# KiCad board Batch 1.kicad_pcb (continued)
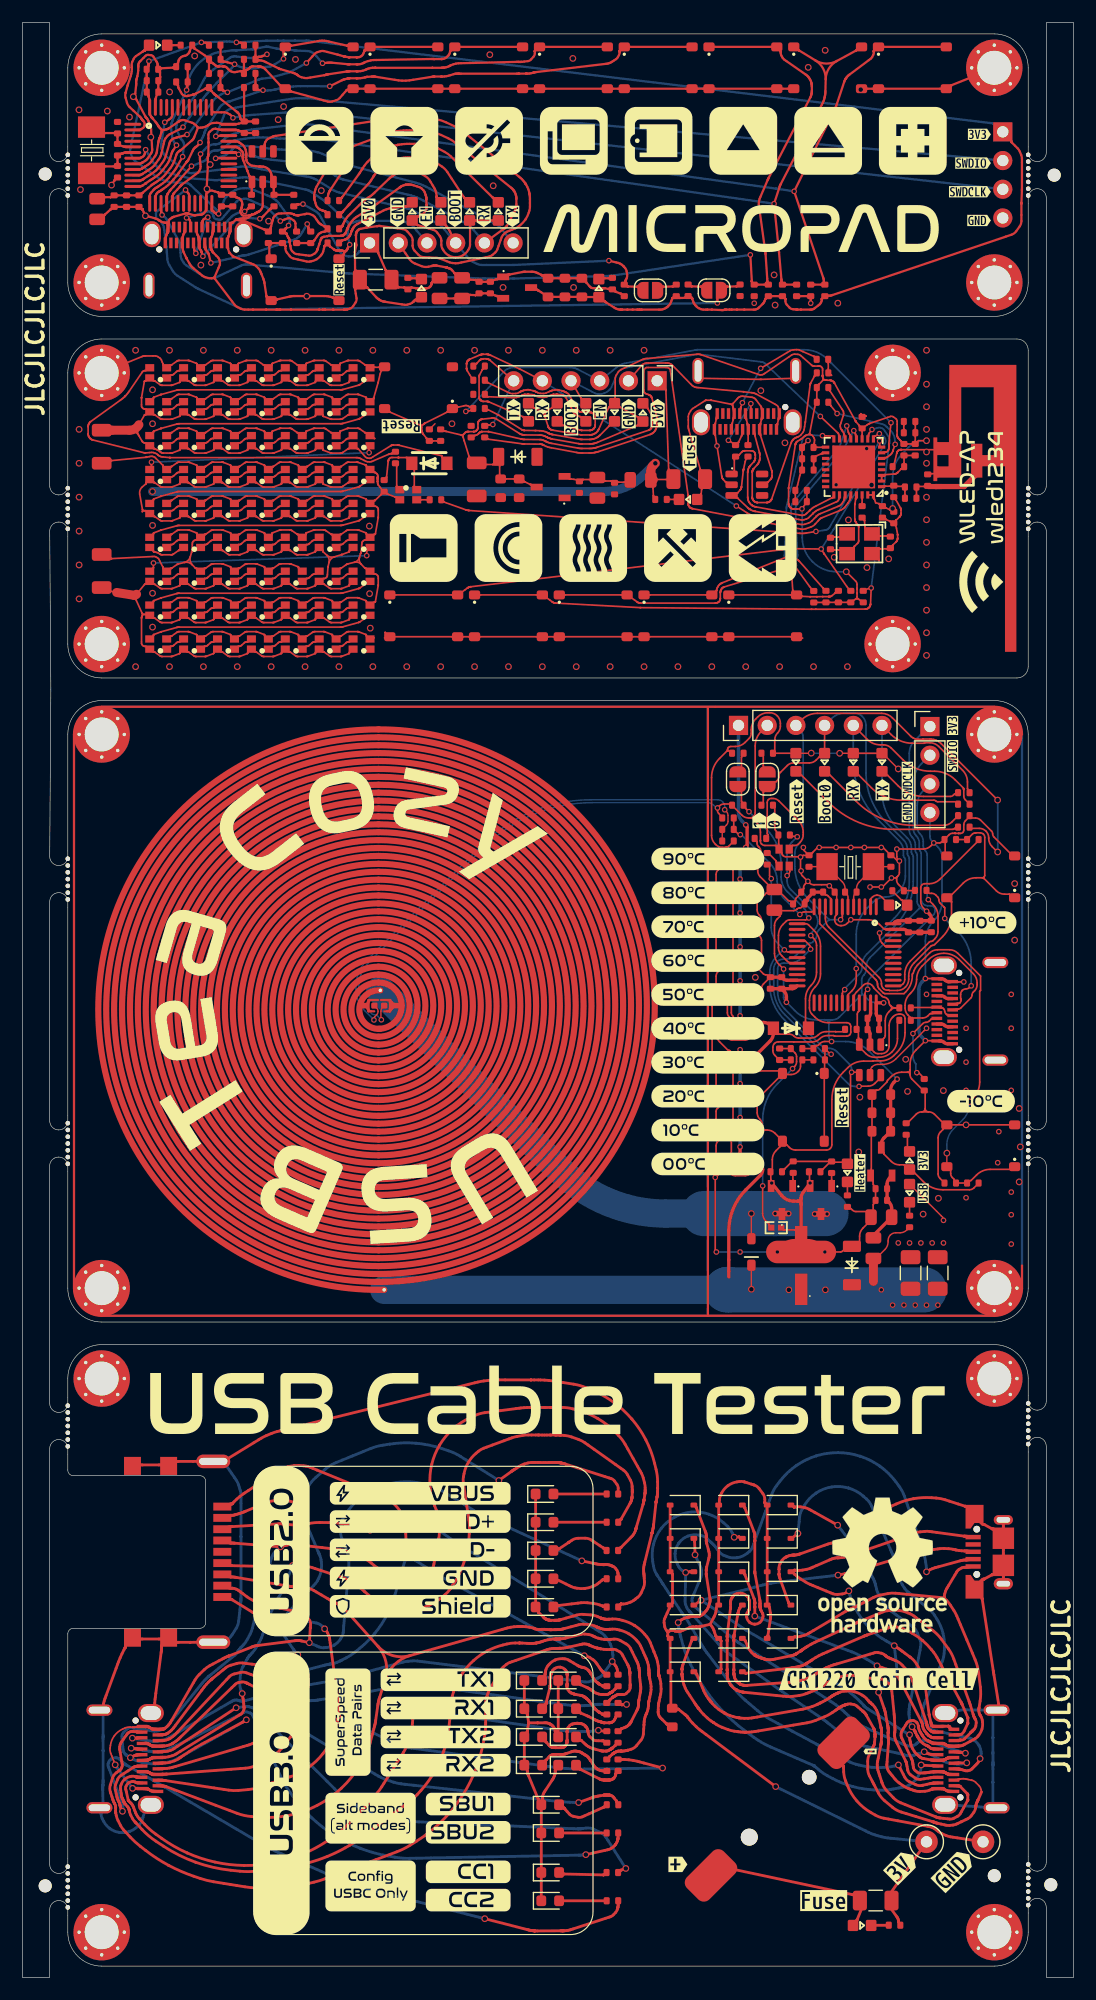
[diagram p0: board, top side]
## Routing (per net, layer and track width the routed paths; a pad name or vN(x,y) marks a point on that pad's centre or on a via; arc(x,y) is an arc through that point) (continued)
  Bottom w0.2: v2(68.28,158.07) 66.72,158.3 arc(66.71,158.3) 66.7,158.31 arc(66.69,158.31) 66.68,158.31 26.76,163.78 arc(26.69,163.78) 26.63,163.79 arc(26.57,163.8) 26.5,163.81 25.76,163.94 arc(25.49,163.98) 25.23,163.99 24.69,164.01 arc(24.42,164) 24.15,163.97 23.88,163.94 arc(23.87,163.94) 23.87,163.94 23.81,163.93 arc(23.74,163.92) 23.68,163.91 20.67,163.58 20.26,163.54 arc(20.06,163.51) 19.86,163.47 19.46,163.38 arc(19.27,163.33) 19.07,163.28 18.44,163.07 arc(18.34,163.03) 18.25,162.98 18.06,162.87 arc(17.97,162.81) 17.89,162.74 17.54,162.39 arc(17.49,162.34) 17.43,162.31 17.3,162.26 arc(17.23,162.24) 17.17,162.23 16.95,162.23 arc(16.82,162.22) 16.7,162.18 16.45,162.07 arc(16.34,162.01) 16.24,161.92 v2(15.75,161.37)
/Rainbow: length 54
  Top w0.15: U4.10 74.86,136.37 arc(74.86,136.41) 74.86,136.44 74.86,136.5 arc(74.87,136.53) 74.87,136.55 74.89,136.6 arc(74.9,136.62) 74.91,136.64 v2(75.17,136.99) ; R51.2 74.56,122.79 arc(74.72,122.86) 74.89,122.91 v2(75.11,122.96) 75.05,121.55 arc(75.05,121.54) 75.04,121.54 arc(75.04,121.53) 75.04,121.52 75.04,121.51 arc(75.04,121.5) 75.04,121.5 arc(75.04,121.49) 75.04,121.49 75.03,121.42 arc(75.02,121.41) 75.02,121.39 75,121.36 arc(75,121.35) 74.99,121.34 74.94,121.27 arc(74.93,121.25) 74.92,121.24 74.9,121.22 arc(74.89,121.21) 74.87,121.2 74.83,121.17 arc(74.82,121.16) 74.8,121.15 arc(74.79,121.14) 74.78,121.14 74.75,121.12 arc(74.73,121.12) 74.72,121.11 74.66,121.1 arc(74.65,121.1) 74.64,121.1 arc(74.63,121.1) 74.62,121.1 74.61,121.1 arc(74.6,121.09) 74.59,121.09 arc(74.59,121.09) 74.58,121.09 70.2,121.08 69.83,121.08 arc(69.83,121.08) 69.83,121.08 54.71,121.22 arc(54.69,121.22) 54.68,121.22 arc(54.66,121.23) 54.65,121.23 47.19,121.62 47.18,121.63 arc(47.17,121.63) 47.17,121.63 47.15,121.63 arc(47.15,121.63) 47.14,121.63 arc(47.14,121.63) 47.13,121.63 47.04,121.65 arc(47.03,121.65) 47.01,121.66 46.98,121.67 arc(46.97,121.68) 46.96,121.69 46.88,121.73 arc(46.88,121.74) 46.87,121.74 arc(46.87,121.75) 46.86,121.75 46.66,121.89 arc(46.46,122.04) 46.26,122.18 46.18,122.23 arc(45.99,122.32) 45.79,122.35 SW11.1
  Bottom w0.15: v2(75.17,136.99) 75.76,137.15 arc(75.84,137.17) 75.92,137.15 76.08,137.09 arc(76.15,137.05) 76.21,137 76.52,136.55 76.63,136.4 arc(76.67,136.32) 76.7,136.24 76.73,136.06 arc(76.74,135.97) 76.73,135.89 76.72,135.81 arc(76.71,135.8) 76.71,135.79 76.71,135.79 arc(76.71,135.78) 76.71,135.78 arc(76.71,135.77) 76.71,135.77 76.71,135.76 arc(76.71,135.75) 76.7,135.75 arc(76.7,135.74) 76.7,135.74 v2(75.11,122.96)
/Reset: length 175.2
  Top w0.15: U4.7 76.24,134.98 arc(76.28,134.99) 76.32,134.99 76.4,134.99 arc(76.45,135) 76.49,135.02 76.56,135.08 arc(76.6,135.11) 76.62,135.15 76.66,135.27 arc(76.66,135.28) 76.66,135.3 76.67,135.32 arc(76.67,135.33) 76.67,135.35 arc(76.67,135.36) 76.67,135.37 76.67,135.48 arc(76.67,135.49) 76.67,135.49 arc(76.67,135.5) 76.67,135.5 76.67,135.51 arc(76.67,135.51) 76.67,135.52 arc(76.67,135.52) 76.67,135.52 76.67,135.59 arc(76.67,135.59) 76.67,135.6 76.67,135.6 arc(76.67,135.6) 76.67,135.61 arc(76.66,135.61) 76.66,135.62 76.66,135.63 arc(76.66,135.64) 76.66,135.66 76.66,135.69 arc(76.66,135.7) 76.66,135.72 76.67,135.75 v2(76.86,137.59) ; J6.3 68.92,111.28 arc(69.57,111.72) 70.34,111.87 76.02,111.87 arc(76.54,111.77) 76.98,111.48 78.59,109.86 78.66,109.79 78.82,109.69 79,109.61 79.18,109.58 79.28,109.58 79.67,109.58 79.68,109.57 79.69,109.58 79.7,109.59 79.71,109.6 79.72,109.6 80.3,109.6 80.41,109.59 80.64,109.56 80.85,109.49 81.05,109.39 81.23,109.25 81.31,109.17 v1(86.29,104.19) ; 35.32,137.18 35.36,136.83 arc(35.36,136.83) 35.36,136.82 arc(35.36,136.82) 35.36,136.82 35.36,136.81 arc(35.36,136.81) 35.36,136.81 arc(35.36,136.8) 35.36,136.8 35.37,136.78 arc(35.37,136.78) 35.37,136.77 35.37,136.73 arc(35.38,136.72) 35.38,136.7 35.4,136.67 arc(35.4,136.66) 35.41,136.65 arc(35.42,136.63) 35.43,136.62 35.45,136.59 arc(35.45,136.58) 35.46,136.58 35.46,136.57 arc(35.46,136.57) 35.46,136.57 arc(35.47,136.56) 35.47,136.56 35.74,136.23 arc(35.74,136.23) 35.74,136.23 arc(35.74,136.23) 35.74,136.22 35.91,136.06 arc(36.01,136) 36.12,135.98 R34.2 ; 35.32,137.18 arc(35.33,137.31) 35.41,137.41 ; 35.32,137.18 arc(35.27,137.3) 35.17,137.38 ; 70.98,80.5 70.98,80.88 ; 71.01,81.52 71.01,81.88 ; SW10.2 32.5,138.53 arc(32.5,138.53) 32.51,138.53 32.51,138.53 arc(32.51,138.53) 32.51,138.53 35.17,137.38 ; 35.17,137.38 arc(35.29,137.36) 35.41,137.41 ; 71.26,81.94 71.47,81.72 arc(71.5,81.71) 71.53,81.7 v2(71.56,81.7) ; v2(72.4,93.61) 72.47,93.68 arc(72.53,93.77) 72.55,93.87 U6.7 ; 86.3,99.58 v1(86.3,99.6) 86.28,99.6 85.8,100.08 arc(85.58,100.4) 85.51,100.79 85.51,100.85 arc(85.44,101.17) 85.26,101.45 arc(84.99,101.63) 84.67,101.69 84.08,101.69 ; v2(39.23,138.59) 39.46,138.62 arc(39.62,138.66) 39.76,138.74 39.8,138.78 arc(39.83,138.85) 39.79,138.91 39.73,138.94 arc(39.69,138.96) 39.66,138.96 39.61,138.96 arc(39.61,138.96) 39.6,138.96 39.59,138.97 arc(39.58,138.97) 39.58,138.97 arc(39.57,138.98) 39.57,138.98 39.51,139.03 arc(39.46,139.06) 39.41,139.08 39.29,139.11 arc(39.23,139.11) 39.17,139.11 38.56,138.97 arc(38.56,138.97) 38.56,138.97 arc(38.55,138.97) 38.55,138.97 38.55,138.97 arc(38.54,138.97) 38.54,138.97 38.5,138.97 arc(38.47,138.96) 38.43,138.95 38.25,138.9 arc(38.05,138.82) 37.86,138.72 37.58,138.53 arc(37.58,138.53) 37.58,138.53 arc(37.57,138.53) 37.57,138.53 arc(37.57,138.53) 37.57,138.53 35.62,137.55 arc(35.62,137.55) 35.61,137.55 arc(35.61,137.55) 35.6,137.54 35.6,137.54 arc(35.59,137.54) 35.59,137.53 35.54,137.5 arc(35.54,137.5) 35.53,137.5 arc(35.53,137.49) 35.52,137.49 35.41,137.41 ; 70.95,79.5 70.95,74.5
  Top w0.2: SW1.2 28.41,152.46 arc(28.41,152.46) 28.41,152.46 arc(28.41,152.47) 28.41,152.47 28.41,152.47 arc(28.41,152.47) 28.41,152.47 28.5,152.7 ; SW1.1 21.86,152.36 arc(21.84,152.4) 21.84,152.45 21.84,153.27 arc(21.83,153.32) 21.81,153.36 21.79,153.4 arc(21.8,153.46) 21.85,153.49 22.89,153.49 arc(22.99,153.47) 23.08,153.41 23.26,153.25 arc(23.26,153.24) 23.26,153.24 arc(23.26,153.24) 23.26,153.24 arc(23.26,153.24) 23.26,153.24 23.26,153.23 arc(23.26,153.23) 23.26,153.23 23.26,153.01 arc(23.3,152.82) 23.39,152.65 23.65,152.33 arc(23.79,152.2) 23.98,152.12 25.14,151.86 arc(25.27,151.84) 25.4,151.85 25.53,151.87 arc(25.79,151.94) 26.02,152.05 arc(26.23,152.21) 26.41,152.4 26.49,152.5 arc(26.55,152.62) 26.6,152.74 26.67,152.99 26.73,153.21 arc(26.73,153.21) 26.73,153.21 arc(26.73,153.22) 26.73,153.22 26.73,153.22 arc(26.73,153.22) 26.73,153.23 26.73,153.23 arc(26.73,153.23) 26.74,153.23 26.74,153.23 arc(26.74,153.23) 26.74,153.23 arc(26.74,153.23) 26.74,153.24 26.74,153.24 arc(26.74,153.24) 26.74,153.24 arc(26.74,153.24) 26.74,153.24 arc(26.74,153.24) 26.75,153.24 26.87,153.37 arc(26.98,153.42) 27.09,153.35 27.2,153.21 arc(27.2,153.2) 27.2,153.2 arc(27.2,153.2) 27.2,153.2 27.2,153.2 arc(27.2,153.2) 27.21,153.2 27.57,152.92 arc(27.58,152.91) 27.59,152.9 27.62,152.89 arc(27.63,152.88) 27.65,152.88 27.7,152.86 arc(27.71,152.86) 27.72,152.85 27.75,152.85 arc(27.76,152.85) 27.77,152.84 27.86,152.84 arc(27.86,152.84) 27.86,152.84 arc(27.87,152.84) 27.87,152.84 27.87,152.84 arc(27.88,152.84) 27.88,152.84 arc(27.88,152.84) 27.89,152.84 27.91,152.84 arc(27.92,152.84) 27.92,152.84 arc(27.93,152.84) 27.94,152.84 27.96,152.84 arc(27.97,152.84) 27.97,152.84 arc(27.98,152.84) 27.98,152.84 28.04,152.84 arc(28.04,152.84) 28.05,152.84 arc(28.05,152.84) 28.06,152.84 28.08,152.84 arc(28.09,152.84) 28.09,152.84 arc(28.1,152.84) 28.11,152.84 28.14,152.84 arc(28.15,152.84) 28.15,152.84 28.16,152.84 arc(28.16,152.84) 28.17,152.84 arc(28.17,152.84) 28.17,152.84 arc(28.18,152.84) 28.18,152.84 28.2,152.84 arc(28.23,152.84) 28.26,152.84 28.32,152.82 arc(28.34,152.81) 28.37,152.8 28.46,152.74 arc(28.46,152.74) 28.47,152.73 arc(28.47,152.73) 28.48,152.73 28.48,152.72 arc(28.49,152.71) 28.49,152.71 28.5,152.71 arc(28.5,152.71) 28.5,152.7 ; v2(10.89,161.75) 10.8,161.35 arc(10.78,161.3) 10.75,161.25 10.68,161.17 arc(10.65,161.13) 10.6,161.11 10.46,161.04 arc(10.36,161.01) 10.26,161 U2.7 ; 28.5,152.7 arc(28.5,152.7) 28.5,152.7 ; 28.5,152.7 arc(28.5,152.7) 28.5,152.7 ; 28.5,152.7 28.51,152.7 arc(28.51,152.71) 28.51,152.71 28.53,152.72 arc(28.55,152.73) 28.58,152.75 28.62,152.78 arc(28.64,152.8) 28.65,152.82 28.66,152.83 arc(28.67,152.84) 28.68,152.85 28.7,152.88 arc(28.71,152.9) 28.73,152.92 28.75,152.96 arc(28.76,152.98) 28.77,153.01 28.77,153.02 arc(28.78,153.03) 28.78,153.03 arc(28.78,153.04) 28.78,153.04 28.79,153.08 arc(28.81,153.12) 28.83,153.16 28.87,153.23 arc(28.89,153.27) 28.92,153.3 v2(28.95,153.35) ; 28.5,152.7 arc(28.5,152.7) 28.5,152.7
  Bottom w0.15: v2(71.56,81.7) 71.26,81.7 arc(70.99,81.75) 70.75,81.91 67.45,85.22 arc(66.73,86.29) 66.48,87.56 66.48,89.24 arc(66.54,89.58) 66.73,89.86 arc(67.02,90.05) 67.35,90.12 67.55,90.12 arc(68.07,90.22) 68.51,90.51 69.42,91.42 arc(69.54,91.5) 69.68,91.53 arc(69.81,91.55) 69.93,91.63 70.09,91.79 arc(70.24,92) 70.28,92.25 arc(70.33,92.5) 70.48,92.71 71.37,93.61 ; v2(39.23,138.59) 42.53,142.03 42.7,142.2 arc(42.79,142.28) 42.89,142.33 43.11,142.43 arc(43.22,142.46) 43.34,142.48 48.61,142.48 arc(48.68,142.47) 48.75,142.46 48.89,142.42 arc(48.96,142.4) 49.02,142.37 J5.3 52.57,142.48 52.72,142.59 arc(52.8,142.65) 52.88,142.69 53.05,142.77 arc(53.14,142.81) 53.23,142.83 59.53,144.02 59.58,144.03 arc(59.6,144.04) 59.62,144.04 59.67,144.05 arc(59.7,144.05) 59.72,144.05 arc(59.75,144.05) 59.77,144.05 69.16,144.05 arc(70.31,143.82) 71.28,143.17 71.58,142.87 arc(71.58,142.87) 71.58,142.87 arc(71.58,142.86) 71.58,142.86 v2(76.86,137.59) ; v1(86.29,104.19) 86.3,104.19 v1(86.3,99.6) ; J6.3 68.76,110.48 arc(69,110.12) 69.09,109.7 69.09,101.12 arc(69.01,100.76) 68.81,100.45 68.72,100.36 arc(68.44,99.95) 68.34,99.46 68.34,98.32 arc(68.65,96.77) 69.53,95.46 71.37,93.62 ; 71.37,93.62 71.38,93.61 ; 71.37,93.62 arc(71.37,93.61) 71.37,93.61 ; 71.37,93.61 arc(71.37,93.61) 71.38,93.61 ; v2(72.4,93.61) 71.38,93.61 arc(71.38,93.61) 71.38,93.61
  Bottom w0.2: 28.85,154.9 28.77,154.53 arc(28.76,154.47) 28.76,154.41 28.76,154.29 arc(28.76,154.24) 28.77,154.18 28.8,154.06 v2(28.95,153.35) ; 28.85,154.9 arc(28.84,155.18) 28.69,155.42 ; 28.85,154.9 arc(28.98,155.15) 29.22,155.3 ; J2.3 34.61,154.92 arc(34.45,155.06) 34.27,155.17 33.88,155.36 arc(33.68,155.43) 33.47,155.45 33.03,155.45 29.82,155.45 arc(29.78,155.45) 29.73,155.44 29.65,155.43 arc(29.61,155.42) 29.57,155.41 29.22,155.3 ; 28.69,155.42 26.88,157.08 arc(26.85,157.11) 26.81,157.14 26.74,157.2 arc(26.7,157.23) 26.67,157.26 26.59,157.31 25.61,157.98 25.5,158.05 arc(25.45,158.08) 25.39,158.11 25.27,158.16 arc(25.21,158.18) 25.15,158.2 25.03,158.23 21.05,159.06 arc(20.84,159.11) 20.64,159.15 20.45,159.2 arc(20.43,159.2) 20.41,159.21 20.26,159.25 arc(20.13,159.27) 19.99,159.29 19.73,159.31 arc(19.6,159.31) 19.46,159.3 19.2,159.27 17.33,159.07 17.25,159.06 arc(17.2,159.06) 17.16,159.06 17.07,159.06 arc(17.03,159.06) 16.99,159.06 16.9,159.06 14.89,159.21 14.85,159.21 arc(14.82,159.22) 14.8,159.22 14.75,159.23 arc(14.73,159.23) 14.7,159.24 14.65,159.25 13.23,159.62 12.74,159.74 arc(12.5,159.83) 12.29,159.96 11.89,160.26 arc(11.7,160.43) 11.56,160.63 11.3,161.06 v2(10.89,161.75) ; 28.69,155.42 arc(28.94,155.29) 29.22,155.3
/RX1+: length 73.3
  Top w0.25: 51.96,24.54 51.96,24.54 arc(51.96,24.54) 51.96,24.54 51.96,24.54 arc(51.97,24.54) 51.97,24.54 52.2,24.77 arc(52.21,24.78) 52.22,24.78 52.24,24.8 arc(52.25,24.81) 52.26,24.81 52.28,24.82 arc(52.28,24.82) 52.29,24.82 52.3,24.83 arc(52.32,24.84) 52.34,24.85 52.35,24.86 arc(52.37,24.87) 52.39,24.88 arc(52.4,24.89) 52.42,24.9 52.54,24.97 arc(52.57,24.99) 52.6,25 52.66,25.02 arc(52.7,25.03) 52.73,25.03 52.94,25.03 arc(52.95,25.03) 52.95,25.03 52.96,25.03 arc(52.97,25.03) 52.97,25.03 52.97,25.03 arc(52.97,25.03) 52.98,25.03 arc(52.98,25.03) 52.98,25.03 52.99,25.03 arc(52.99,25.03) 53,25.03 53.01,25.03 arc(53.01,25.03) 53.02,25.03 arc(53.02,25.03) 53.03,25.03 53.17,25.03 arc(53.31,25.06) 53.43,25.13 53.65,25.34 arc(53.73,25.46) 53.76,25.6 53.77,25.86 arc(53.77,25.88) 53.77,25.9 arc(53.77,25.93) 53.77,25.95 53.75,26.75 arc(53.75,26.8) 53.75,26.86 53.75,26.9 arc(53.75,26.91) 53.75,26.92 arc(53.75,26.92) 53.75,26.93 53.75,26.94 arc(53.75,26.95) 53.75,26.96 53.74,26.98 arc(53.74,26.99) 53.74,27.01 arc(53.74,27.02) 53.74,27.03 53.74,27.03 arc(53.74,27.04) 53.74,27.05 arc(53.73,27.07) 53.73,27.08 53.73,27.09 arc(53.73,27.09) 53.73,27.09 arc(53.73,27.1) 53.73,27.1 53.69,27.31 arc(53.68,27.35) 53.67,27.4 53.64,27.5 arc(53.62,27.54) 53.6,27.59 53.05,28.61 arc(52.96,28.73) 52.84,28.82 52.56,28.97 arc(52.42,29.03) 52.26,29.04 52.11,29.03 arc(52.11,29.03) 52.1,29.03 arc(52.09,29.02) 52.08,29.02 51.96,29.02 arc(51.82,29.01) 51.69,29.02 51.43,29.04 arc(51.3,29.05) 51.17,29.08 50.82,29.16 arc(50.73,29.18) 50.64,29.21 50.46,29.28 arc(50.37,29.31) 50.28,29.35 50.09,29.44 arc(50.01,29.48) 49.92,29.49 49.75,29.51 arc(49.66,29.52) 49.57,29.5 48.19,29.2 arc(48.1,29.18) 48.01,29.17 47.84,29.14 arc(47.75,29.13) 47.66,29.13 47.57,29.12 arc(47.57,29.12) 47.57,29.12 47.54,29.12 arc(47.52,29.12) 47.5,29.12 arc(47.48,29.12) 47.47,29.12 47.43,29.12 arc(47.4,29.12) 47.37,29.12 arc(47.34,29.12) 47.31,29.12 47.26,29.12 arc(47.25,29.12) 47.24,29.12 47.21,29.12 arc(47.21,29.12) 47.2,29.12 47.19,29.12 arc(47.19,29.12) 47.18,29.12 47.16,29.12 arc(47.14,29.12) 47.12,29.12 47.01,29.11 arc(46.92,29.11) 46.82,29.1 46.64,29.06 arc(46.55,29.04) 46.46,29.02 46.2,28.93 43.66,28.06 43.14,27.88 arc(42.97,27.8) 42.82,27.7 42.53,27.46 arc(42.4,27.33) 42.3,27.18 42.02,26.69 41.3,25.41 arc(41.24,25.28) 41.19,25.14 41.1,24.87 arc(41.06,24.73) 41.03,24.58 41.01,24.35 arc(41,24.3) 41,24.25 40.99,24.16 arc(40.99,24.11) 40.99,24.07 40.99,23.8 arc(40.99,23.76) 40.99,23.72 arc(40.99,23.67) 40.99,23.63 40.98,22.38 arc(40.94,21.73) 40.84,21.08 40.7,20.43 arc(40.37,19.16) 39.91,17.94 arc(39.33,16.76) 38.63,15.65 arc(37.83,14.61) 36.92,13.66 arc(35.93,12.8) 34.86,12.05 34.3,11.7 arc(33.72,11.38) 33.12,11.12 31.27,10.42 28.2,9.27 26.76,8.72 arc(26.28,8.56) 25.78,8.43 25.28,8.31 arc(24.28,8.11) 23.26,7.97 arc(22.24,7.9) 21.21,7.9 20.7,7.92 arc(20.19,7.95) 19.68,8.02 18.38,8.23 17.8,8.32 16.89,8.47 arc(16.3,8.59) 15.72,8.76 15.15,8.95 arc(14.02,9.39) 12.93,9.91 arc(11.89,10.53) 10.9,11.23 10.42,11.6 arc(9.96,11.99) 9.53,12.42 9.12,12.86 arc(9.12,12.86) 9.11,12.86 arc(9.11,12.87) 9.11,12.87 8.95,13.04 arc(8.79,13.23) 8.67,13.44 8.45,13.88 arc(8.35,14.1) 8.29,14.33 8.24,14.57 arc(8.24,14.57) 8.24,14.58 arc(8.24,14.58) 8.24,14.59 8.24,14.6 arc(8.23,14.62) 8.23,14.63 8.23,14.67 arc(8.23,14.68) 8.23,14.7 8.23,14.98 arc(8.23,14.99) 8.23,15 arc(8.23,15.01) 8.23,15.02 8.23,15.06 arc(8.23,15.11) 8.22,15.16 8.2,15.26 arc(8.18,15.31) 8.16,15.35 8.13,15.4 arc(8.13,15.41) 8.12,15.42 8.11,15.44 arc(8.09,15.48) 8.08,15.51 8.05,15.58 arc(8.03,15.61) 8.02,15.64 7.77,16.41 arc(7.72,16.72) 7.76,17.02 7.95,17.62 arc(8.09,17.9) 8.3,18.12 8.64,18.37 arc(8.7,18.43) 8.74,18.51 8.81,18.67 arc(8.83,18.75) 8.82,18.84 8.78,19.09 8.64,19.91 8.59,20.21 arc(8.58,20.31) 8.59,20.41 8.64,20.61 arc(8.67,20.7) 8.72,20.79 9.28,21.58 arc(9.33,21.64) 9.4,21.68 9.54,21.75 arc(9.61,21.77) 9.69,21.77 10.09,21.73 arc(10.09,21.73) 10.09,21.73 arc(10.09,21.73) 10.09,21.73 10.1,21.73 arc(10.1,21.73) 10.1,21.73 10.16,21.73 arc(10.23,21.73) 10.29,21.73 J11.B11
/RX1-: length 46.4
  Top w0.25: v1(53.45,24.16) 53.13,24.14 arc(53.11,24.13) 53.09,24.13 53.08,24.13 arc(53.06,24.13) 53.04,24.13 53.03,24.13 arc(53.02,24.13) 53.02,24.13 53.02,24.13 arc(53.02,24.13) 53.02,24.13 ; J11.B10 10.29,21.19 arc(10.23,21.18) 10.16,21.18 10.1,21.18 arc(10.1,21.18) 10.1,21.18 9.78,21.18 arc(9.78,21.18) 9.78,21.18 arc(9.78,21.18) 9.78,21.18 v1(9.71,21.18)
  Bottom w0.25: v1(9.71,21.18) 9.74,21.17 arc(9.77,21.17) 9.8,21.17 9.86,21.16 arc(9.89,21.15) 9.92,21.14 9.95,21.14 arc(9.95,21.14) 9.96,21.13 arc(9.96,21.13) 9.96,21.13 9.97,21.13 arc(9.98,21.13) 9.99,21.13 10.02,21.12 arc(10.03,21.12) 10.04,21.12 arc(10.05,21.12) 10.06,21.11 11.53,20.89 arc(11.74,20.88) 11.95,20.9 12.37,20.97 arc(12.57,21.03) 12.76,21.12 13.32,21.44 18.44,24.38 18.62,24.49 arc(18.68,24.52) 18.75,24.53 18.89,24.55 arc(18.96,24.55) 19.03,24.54 19.28,24.46 arc(19.33,24.45) 19.38,24.45 19.47,24.44 arc(19.52,24.45) 19.57,24.46 21.16,24.89 21.43,24.96 arc(21.52,24.98) 21.61,24.99 21.79,24.99 arc(21.88,24.98) 21.97,24.96 22.05,24.94 arc(22.06,24.94) 22.06,24.93 arc(22.07,24.93) 22.08,24.93 22.08,24.93 arc(22.09,24.93) 22.1,24.92 23.43,24.56 arc(23.58,24.53) 23.73,24.51 24.03,24.47 arc(24.18,24.46) 24.33,24.46 24.78,24.47 25.61,24.5 arc(25.69,24.5) 25.77,24.51 25.93,24.52 arc(26.01,24.53) 26.08,24.54 26.32,24.58 27.64,24.78 arc(27.64,24.78) 27.64,24.78 arc(27.65,24.78) 27.65,24.78 27.65,24.78 arc(27.66,24.78) 27.67,24.79 27.72,24.79 arc(27.78,24.8) 27.83,24.81 34.07,25.89 34.32,25.93 arc(34.4,25.94) 34.49,25.95 34.66,25.95 arc(34.75,25.95) 34.83,25.94 35.09,25.91 47.25,24.24 48,24.13 arc(48.25,24.1) 48.5,24.08 49.01,24.06 arc(49.26,24.05) 49.51,24.05 49.89,24.05 arc(49.98,24.06) 50.07,24.07 50.25,24.08 arc(50.34,24.09) 50.43,24.11 50.59,24.14 arc(50.65,24.15) 50.7,24.15 50.81,24.16 arc(50.86,24.17) 50.92,24.17 51.08,24.17 v1(53.45,24.16)
/RX2+: length 86.7
  Top w0.25: 31.45,29.31 28.5,32.6 arc(28.42,32.69) 28.32,32.77 28.11,32.92 arc(28.01,32.99) 27.9,33.05 27.76,33.11 arc(27.75,33.12) 27.73,33.13 27.67,33.16 arc(27.59,33.19) 27.51,33.23 27.36,33.31 arc(27.29,33.35) 27.21,33.4 25.76,34.25 arc(25.53,34.36) 25.29,34.44 24.78,34.57 arc(24.53,34.61) 24.27,34.61 23.93,34.6 arc(23.88,34.59) 23.83,34.6 23.73,34.6 arc(23.68,34.61) 23.63,34.61 18.78,35.42 arc(18.74,35.43) 18.69,35.43 18.61,35.44 arc(18.56,35.44) 18.52,35.44 18.41,35.44 arc(18.35,35.45) 18.29,35.46 17.68,35.67 ; 31.45,29.31 arc(32.75,28.49) 34.29,28.48 ; 31.45,29.31 arc(32.16,27.91) 32.09,26.34 ; J11.A11 12.26,16.94 arc(12.33,16.93) 12.39,16.93 12.48,16.93 arc(12.51,16.93) 12.54,16.93 12.59,16.92 arc(12.62,16.91) 12.64,16.9 12.72,16.87 17.1,15.23 18.97,14.53 arc(19.6,14.34) 20.26,14.24 20.92,14.18 arc(22.25,14.17) 23.56,14.34 arc(24.84,14.69) 26.05,15.21 arc(27.18,15.9) 28.21,16.74 arc(29.11,17.71) 29.86,18.8 30.2,19.37 arc(30.5,19.96) 30.71,20.59 31.13,22.18 31.17,22.32 arc(31.18,22.37) 31.19,22.42 31.21,22.51 arc(31.22,22.56) 31.23,22.61 31.43,24.05 31.46,24.24 arc(31.47,24.3) 31.49,24.37 31.51,24.49 arc(31.53,24.55) 31.55,24.62 31.61,24.8 32.09,26.34 ; 51.96,19.54 51.96,19.54 arc(51.96,19.54) 51.96,19.54 51.96,19.54 arc(51.97,19.54) 51.97,19.54 52.2,19.77 arc(52.21,19.78) 52.22,19.78 52.24,19.8 arc(52.25,19.81) 52.26,19.81 52.28,19.82 arc(52.28,19.82) 52.29,19.82 52.31,19.83 arc(52.32,19.84) 52.34,19.85 52.35,19.86 arc(52.35,19.86) 52.35,19.86 arc(52.35,19.86) 52.35,19.86 52.36,19.86 arc(52.36,19.87) 52.37,19.87 52.4,19.89 arc(52.41,19.89) 52.42,19.9 52.42,19.9 arc(52.42,19.9) 52.42,19.9 arc(52.42,19.9) 52.43,19.9 52.54,19.98 arc(52.57,19.99) 52.6,20 52.66,20.02 arc(52.7,20.03) 52.73,20.03 52.94,20.03 arc(52.95,20.03) 52.95,20.03 52.96,20.03 arc(52.97,20.03) 52.97,20.03 52.97,20.03 arc(52.97,20.03) 52.98,20.03 arc(52.98,20.03) 52.98,20.03 52.99,20.03 arc(52.99,20.03) 53,20.03 53.01,20.03 arc(53.01,20.03) 53.02,20.03 arc(53.02,20.03) 53.03,20.03 53.08,20.03 arc(53.13,20.03) 53.19,20.03 53.3,20.05 arc(53.35,20.06) 53.4,20.07 53.46,20.08 arc(53.46,20.08) 53.46,20.08 53.55,20.1 arc(53.55,20.1) 53.55,20.1 arc(53.55,20.1) 53.55,20.1 53.85,20.19 arc(54.12,20.31) 54.34,20.51 54.73,20.99 arc(54.87,21.25) 54.94,21.54 55,22.4 55.02,22.68 arc(55.03,22.77) 55.04,22.87 55.09,23.05 arc(55.12,23.14) 55.16,23.23 55.19,23.3 arc(55.2,23.31) 55.2,23.32 arc(55.21,23.34) 55.21,23.35 55.25,23.42 arc(55.28,23.51) 55.31,23.61 55.36,23.79 arc(55.37,23.89) 55.38,23.98 55.39,24.07 arc(55.39,24.08) 55.39,24.08 arc(55.39,24.09) 55.39,24.1 55.39,24.11 arc(55.39,24.12) 55.39,24.13 55.39,24.16 arc(55.39,24.18) 55.39,24.19 55.41,24.3 arc(55.41,24.32) 55.41,24.34 55.42,24.38 arc(55.42,24.4) 55.43,24.42 55.59,25.2 arc(55.61,25.34) 55.62,25.47 55.62,25.74 arc(55.61,25.88) 55.59,26.01 55.47,26.6 arc(55.47,26.62) 55.46,26.64 55.46,26.69 arc(55.45,26.71) 55.45,26.73 55.45,26.77 arc(55.45,26.78) 55.45,26.79 55.44,26.87 arc(55.44,26.88) 55.44,26.89 arc(55.44,26.9) 55.44,26.91 55.44,26.93 arc(55.44,26.94) 55.44,26.94 arc(55.44,26.95) 55.44,26.96 55.44,27.01 arc(55.44,27.04) 55.44,27.06 arc(55.44,27.09) 55.44,27.11 55.44,27.12 arc(55.43,27.16) 55.43,27.19 55.42,27.38 arc(55.4,27.51) 55.38,27.64 55.32,27.89 arc(55.28,28.01) 55.23,28.13 54.97,28.72 54.7,29.33 arc(54.6,29.52) 54.46,29.69 54.32,29.86 arc(54,30.16) 53.65,30.41 arc(53.26,30.61) 52.84,30.74 52.63,30.79 arc(52.41,30.82) 52.19,30.82 51.96,30.81 arc(51.95,30.81) 51.94,30.8 51.92,30.8 arc(51.89,30.8) 51.86,30.8 51.67,30.79 arc(51.59,30.79) 51.51,30.8 51.35,30.83 arc(51.27,30.85) 51.19,30.87 50.99,30.95 arc(50.94,30.96) 50.9,30.98 50.87,30.99 arc(50.86,31) 50.84,31 50.62,31.1 arc(50.39,31.18) 50.16,31.22 49.69,31.26 arc(49.45,31.25) 49.22,31.21 48.53,31.03 47.81,30.83 arc(47.76,30.82) 47.72,30.82 47.64,30.8 arc(47.59,30.8) 47.55,30.79 47.42,30.78 arc(47.41,30.78) 47.39,30.78 47.35,30.78 arc(47.3,30.78) 47.25,30.78 47.22,30.77 arc(47.2,30.77) 47.17,30.77 arc(47.15,30.77) 47.13,30.77 47.12,30.77 arc(47.09,30.77) 47.06,30.77 46.77,30.77 arc(46.75,30.77) 46.73,30.77 46.7,30.77 arc(46.69,30.77) 46.67,30.77 46.29,30.8 arc(46.23,30.8) 46.17,30.8 46.04,30.8 arc(45.98,30.8) 45.92,30.8 45.76,30.79 arc(45.7,30.79) 45.63,30.8 45.5,30.81 arc(45.44,30.82) 45.37,30.84 45.32,30.85 arc(45.31,30.86) 45.31,30.87 arc(45.31,30.88) 45.3,30.89 45.16,30.93 arc(45.01,30.96) 44.86,30.99 44.55,31.04 arc(44.39,31.05) 44.23,31.06 43.79,31.05 arc(43.64,31.05) 43.49,31.03 43.2,30.99 arc(43.05,30.96) 42.9,30.93 42.47,30.8 34.29,28.48 ; 34.29,28.48 arc(32.92,27.69) 32.09,26.34
/RX2-: length 70.2
  Top w0.25: v1(26.73,30.85) 26.73,30.84 arc(26.74,30.84) 26.74,30.84 26.83,30.74 arc(26.91,30.63) 26.98,30.51 27.09,30.26 arc(27.14,30.14) 27.17,30 27.22,29.6 27.86,24.9 27.87,24.78 arc(27.88,24.74) 27.88,24.7 27.89,24.63 arc(27.89,24.59) 27.89,24.55 27.92,23.8 arc(27.92,23.71) 27.92,23.61 27.92,23.43 arc(27.91,23.34) 27.91,23.24 v1(27.9,23.14) 27.86,22.67 arc(27.79,22.22) 27.65,21.79 27.48,21.37 arc(27.09,20.55) 26.58,19.8 arc(25.97,19.14) 25.27,18.56 24.9,18.3 arc(24.51,18.07) 24.1,17.89 22.8,17.46 20.8,16.8 arc(20.39,16.68) 19.96,16.62 19.1,16.55 arc(18.67,16.53) 18.24,16.57 12.62,17.42 12.6,17.42 arc(12.58,17.43) 12.56,17.43 12.51,17.43 arc(12.49,17.43) 12.47,17.43 12.39,17.43 arc(12.33,17.43) 12.26,17.44 J11.A10 ; 17.68,33.67 18.29,33.46 arc(18.35,33.45) 18.41,33.44 18.48,33.44 arc(18.49,33.44) 18.5,33.44 18.52,33.43 arc(18.53,33.43) 18.53,33.43 21.42,31.65 arc(21.78,31.47) 22.17,31.34 22.96,31.14 arc(23.36,31.07) 23.76,31.06 v1(24.2,31.08) ; 53.02,19.29 53.03,19.29 arc(53.04,19.29) 53.05,19.29 53.26,19.29 arc(53.45,19.28) 53.65,19.26 54.03,19.2 arc(54.22,19.17) 54.41,19.13 54.98,18.97 v1(56.64,18.53)
  Bottom w0.25: v1(27.9,23.14) 32.9,20.75 33.26,20.57 arc(33.38,20.52) 33.51,20.48 33.77,20.4 arc(33.9,20.37) 34.03,20.34 34.43,20.29 46.38,18.69 47.38,18.56 arc(47.72,18.52) 48.05,18.49 48.72,18.45 arc(49.06,18.44) 49.4,18.43 50.41,18.45 v1(56.64,18.53) ; v1(24.2,31.08) 24.86,31.4 arc(25.13,31.48) 25.43,31.47 26.02,31.36 arc(26.29,31.26) 26.52,31.08 26.72,30.85 arc(26.73,30.85) 26.73,30.85 v1(26.73,30.85)
/SBU1: length 45.4
  Top w0.25: v1(49.21,15.47) 50.45,15.93 arc(50.52,15.95) 50.59,15.97 50.74,16.01 arc(50.81,16.02) 50.88,16.04 51.43,16.12 arc(51.43,16.12) 51.43,16.12 arc(51.43,16.13) 51.44,16.13 51.46,16.13 arc(51.46,16.13) 51.46,16.13 arc(51.46,16.13) 51.46,16.13 51.5,16.13 arc(51.51,16.14) 51.52,16.14 51.54,16.14 arc(51.55,16.14) 51.56,16.14 arc(51.57,16.14) 51.58,16.14 51.6,16.14 arc(51.62,16.14) 51.65,16.14 51.66,16.14 arc(51.67,16.14) 51.68,16.14 51.69,16.14 arc(51.7,16.14) 51.7,16.14 arc(51.71,16.14) 51.72,16.14 51.72,16.14 arc(51.74,16.14) 51.75,16.14 51.76,16.14 arc(51.78,16.14) 51.81,16.14 51.82,16.14 arc(51.83,16.14) 51.84,16.14 arc(51.85,16.14) 51.86,16.14 51.89,16.14 arc(51.9,16.14) 51.91,16.13 51.94,16.13 arc(51.95,16.13) 51.95,16.13 52.02,16.12 arc(52.07,16.1) 52.12,16.08 52.21,16.03 arc(52.25,16) 52.29,15.96 52.56,15.61 arc(52.56,15.61) 52.56,15.61 arc(52.56,15.61) 52.56,15.6 52.56,15.6 arc(52.56,15.6) 52.56,15.6 52.56,15.6 ; v1(21.69,23.66) 21.77,23.49 arc(21.82,23.33) 21.85,23.16 21.87,22.99 arc(21.87,22.66) 21.82,22.33 arc(21.72,22.01) 21.57,21.71 21.48,21.56 arc(21.38,21.43) 21.26,21.31 21.13,21.21 arc(21.13,21.2) 21.13,21.2 arc(21.12,21.19) 21.12,21.19 20.98,21.08 arc(20.84,20.97) 20.69,20.88 20.38,20.72 arc(20.22,20.64) 20.05,20.58 19.54,20.43 13.55,18.67 13.22,18.58 arc(13.12,18.55) 13.01,18.53 12.78,18.5 arc(12.67,18.49) 12.56,18.48 12.39,18.48 arc(12.33,18.48) 12.26,18.48 J11.A8
  Bottom w0.25: v1(49.21,15.47) 48.89,15.48 arc(48.64,15.49) 48.39,15.5 47.88,15.53 arc(47.62,15.55) 47.37,15.58 46.61,15.66 34.58,17.01 33.52,17.13 arc(33.17,17.19) 32.82,17.28 32.15,17.51 arc(31.82,17.64) 31.5,17.81 30.58,18.35 21.82,23.58 arc(21.78,23.6) 21.75,23.62 21.72,23.64 arc(21.71,23.65) 21.7,23.65 v1(21.69,23.66)
